# Altium PCB IMX93EVK-SOM_Only-BGA-Fanouts_PrePlaced.PcbDoc (part 4 of 4)
Units mil, origin at the board's own origin, x right, y up, seen from the top; angles counter-clockwise.
Board outline 2903.05 x 2405.84 mil, 6 copper layers (TOP, L2_GND_1, L3_INT_1, L4_PWR, L5_GND_2, BOTTOM), stack 60.244 mil thick; 554 components, 400 nets, 2129 pads, 160 vias.
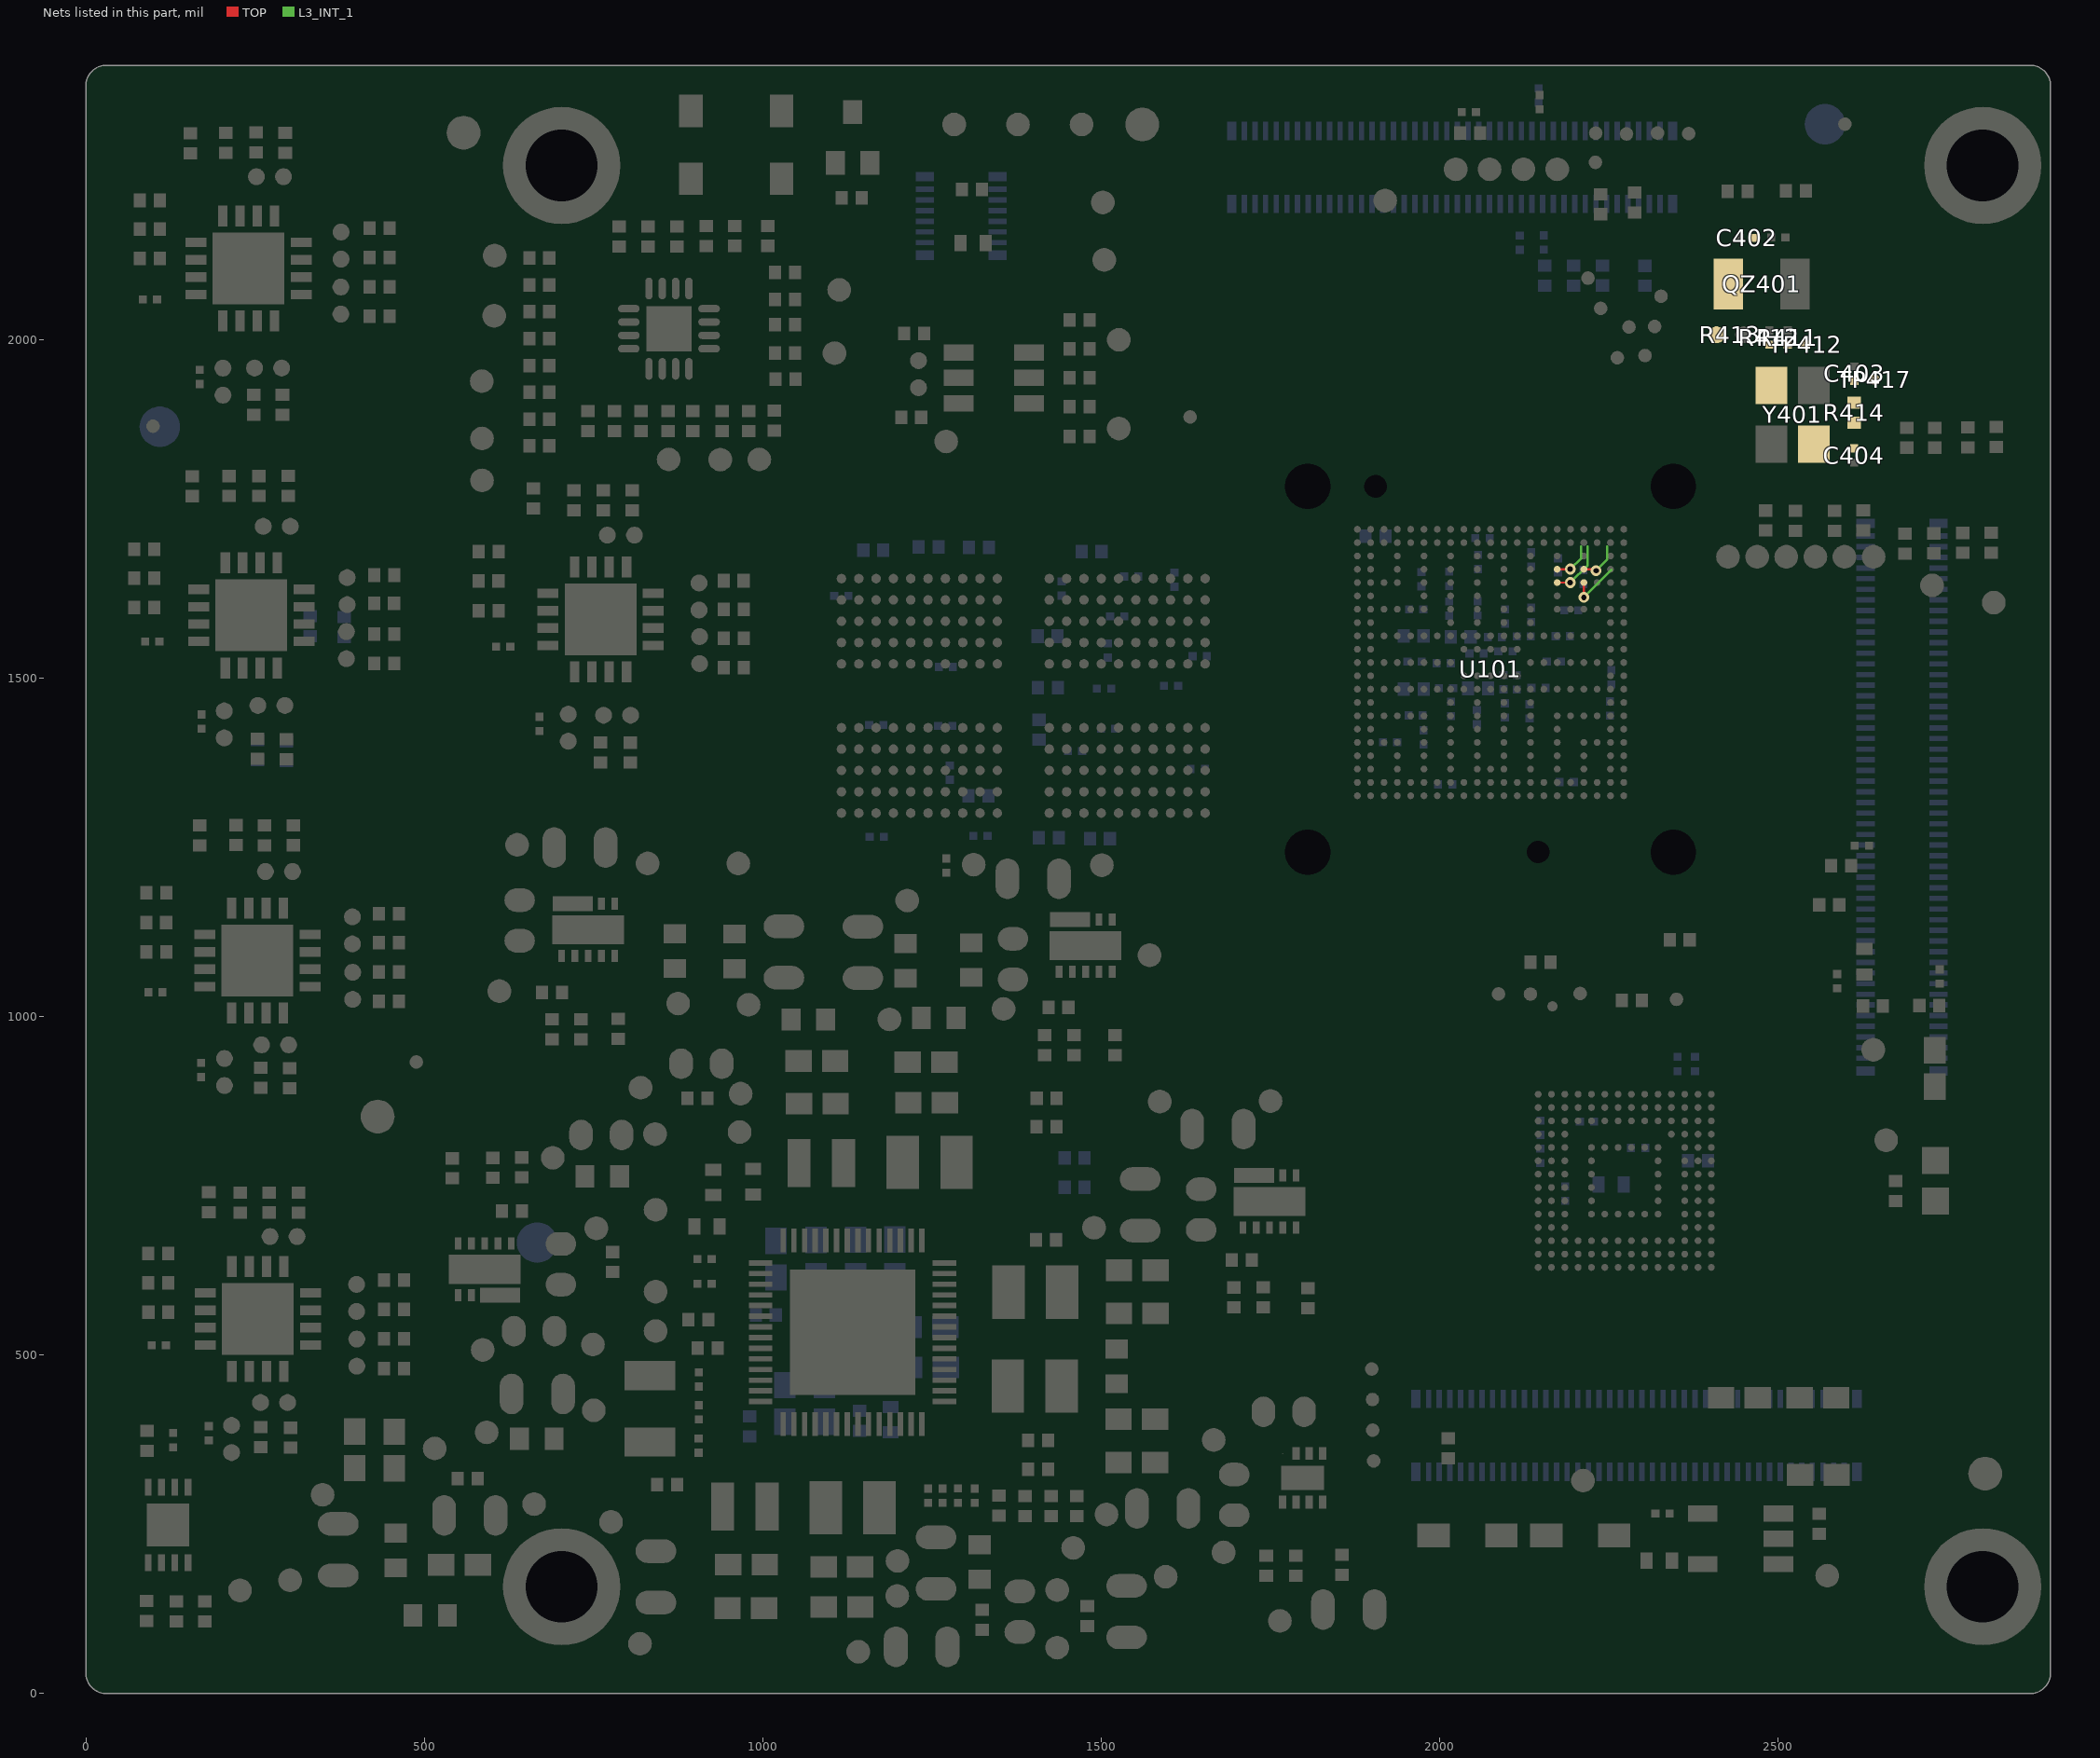
[diagram p7: the nets of this part, all layers, seen from the top]

## Via types
v1: diameter 16, hole 8, TOP to BOTTOM, tented both sides, 160 vias

## Nets (pads, with @x,y where several pads share a name; then routed paths per layer and width w, separated by ;. In a path a pad name is that pad's centre, name@x,y a point inside that pad or via, vN(x,y) a via of type N, cw(c..) or ccw(c..) an arc to the next point about the centre after c; other vN are vias at no path point) (continued)
XTALI_24M: C403.1 R414.1 TP417.1 U101.D18 Y401.1 | length 61.6
  TOP w3.2: U101.D18@2213.52,1661.28 2229.58,1661.28 v1(2231.64,1659.22)
  L3_INT_1 w3.6: v1(2231.64,1659.22) 2248.23,1675.81 2248.23,1695
XTALI_32K: R411.2 R412.1 TP412.1 U101.E16 | length 83.3
  TOP w3.2: U101.E16@2174.15,1641.59 v1(2193.39,1641.59)
  L3_INT_1 w3.6: v1(2193.39,1641.59) 2219.21,1667.41 2219.21,1695
XTALO_24M: C404.1 R414.2 U101.E18 Y401.3 | length 79.1
  TOP w3.2: v1(2213.52,1619.77) U101.E18@2213.52,1641.59
  L3_INT_1 w3.6: v1(2213.52,1619.77) 2254,1660.25
XTALO_32K: C402.1 QZ401.1 R413.2 U101.D16 | length 59.5
  TOP w3.2: U101.D16@2174.15,1661.28 2193.08,1661.28 v1(2193.39,1661.59)
  L3_INT_1 w3.6: v1(2193.39,1661.59) 2209.53,1677.73 2209.53,1695
pads on no net: J801. J802. J803. J901. J901.8 U101. U201.A1 U201.A2 U201.A8 U201.A11 U201.A12 U201.AA1 U201.AA2 U201.AA4 U201.AA9 U201.AA11 U201.AA12 U201.AB1 U201.AB2 U201.AB11 U201.AB12 U201.B1 U201.B12 U201.G11 U201.K5 U201.K8 U201.N5 U201.N8 U201.P2 U201.P4 U201.P5 U201.P8 U201.P9 U201.P11 U201.R2 U201.R3 U201.R4 U201.R9 U201.R10 U201.R11 U201.T2 U201.U2 U201.U4 U201.U9 U201.U11 U201.V2 U201.V3 U201.V4 U201.V9 U201.V10 U201.V11 U201.W3 U201.W10 U201.Y2 U201.Y3 U201.Y4 U201.Y9 U201.Y10 U201.Y11 U501.A1 U501.A2 U501.A7 U501.A8 U501.A9 U501.A10 U501.A11 U501.A12 U501.A13 U501.A14 U501.B1 U501.B7 U501.B8 U501.B9 U501.B10 U501.B11 U501.B12 U501.B13 U501.B14 U501.C1 U501.C3 U501.C5 U501.C7 U501.C8 U501.C9 U501.C10 U501.C11 U501.C12 U501.C13 U501.C14 U501.D1 U501.D2 U501.D3 U501.D4 U501.D12 U501.D13 U501.D14 U501.E1 U501.E2 U501.E3 U501.E5 U501.E8 U501.E9 U501.E10 U501.E12 U501.E13 U501.E14 U501.F1 U501.F2 U501.F3 U501.F10 U501.F12 U501.F13 U501.F14 U501.G1 U501.G2 U501.G3 U501.G10 U501.G12 U501.G13 U501.G14 U501.H1 U501.H2 U501.H3 U501.H12 U501.H13 U501.H14 U501.J1 U501.J2 U501.J3 U501.J12 U501.J13 U501.J14 U501.K1 U501.K2 U501.K3 U501.K6 U501.K7 U501.K10 U501.K12 U501.K13 U501.K14 U501.L1 U501.L2 U501.L3 U501.L12 U501.L13 U501.L14 U501.M1 U501.M2 U501.M3 U501.M7 U501.M8 U501.M9 U501.M10 U501.M11 U501.M12 U501.M13 U501.M14 U501.N1 U501.N3 U501.N6 U501.N7 U501.N8 U501.N9 U501.N10 U501.N11 U501.N12 U501.N13 U501.N14 U501.P1 U501.P2 U501.P7 U501.P8 U501.P9 U501.P10 U501.P11 U501.P12 U501.P13 U501.P14 U903.2 U906.2 U908.2 U910.2

## Keep-outs
TOP:
  region: 69.1,1872.72 ccw(c99.1,1872.72) 99.1,1842.72 ccw(c99.1,1872.72) 129.1,1872.72 ccw(c99.6,1873.22) 99.6,1902.72 99.1,1902.72 99.1,1900.72 100.1,1900.72 100.1,1893.72 100.1,1883.72 cw(c99.05,1872.72) 110.1,1872.72 cw(c99.1,1872.72) 99.1,1883.72 99.1,1889.72 99.1,1893.72 99.1,1899.72 98.1,1899.72 98.1,1902.72 ccw(c99.12,1872.72)
  region: 458.31,933.08 ccw(c488.31,933.08) 488.31,903.08 ccw(c488.31,933.08) 518.31,933.08 ccw(c488.81,933.58) 488.81,963.08 488.31,963.08 488.31,961.08 489.31,961.08 489.31,954.08 489.31,944.08 cw(c488.26,933.08) 499.31,933.08 cw(c488.31,933.08) 488.31,944.08 488.31,950.08 488.31,954.08 488.31,960.08 487.31,960.08 487.31,963.08 ccw(c488.33,933.08)
  region: 2569.36,2319.04 ccw(c2599.36,2319.04) 2599.36,2289.04 ccw(c2599.36,2319.04) 2629.36,2319.04 ccw(c2599.86,2319.54) 2599.86,2349.04 2599.36,2349.04 2599.36,2347.04 2600.36,2347.04 2600.36,2340.04 2600.36,2330.04 cw(c2599.31,2319.04) 2610.36,2319.04 cw(c2599.36,2319.04) 2599.36,2330.04 2599.36,2336.04 2599.36,2340.04 2599.36,2346.04 2598.36,2346.04 2598.36,2349.04 ccw(c2599.38,2319.04)
L2_GND_1:
  region: 2041.85,1700.85 2040.26,1704.69 2036.42,1706.28 2033.89,1705.23 2032.58,1704.69 2030.99,1700.85 2032.58,1697.01 2033.89,1696.47 2036.42,1695.42 2040.26,1697.01 2041.85,1700.85
  region: 2002.54,1720.42 2000.95,1724.26 1997.11,1725.85 1994.58,1724.8 1993.27,1724.26 1991.68,1720.42 1993.27,1716.58 1994.58,1716.04 1997.11,1714.99 2000.95,1716.58 2002.54,1720.42
  region: 2061.32,1720.47 2059.73,1724.31 2055.89,1725.9 2053.36,1724.85 2052.05,1724.31 2050.46,1720.47 2052.05,1716.63 2053.36,1716.09 2055.89,1715.04 2059.73,1716.63 2061.32,1720.47
  region: 2041.79,1720.45 2040.2,1724.29 2036.36,1725.88 2033.83,1724.83 2032.52,1724.29 2030.93,1720.45 2032.52,1716.61 2033.83,1716.07 2036.36,1715.02 2040.2,1716.61 2041.79,1720.45
  region: 1982.69,1720.3 1981.1,1724.14 1977.26,1725.73 1974.73,1724.68 1973.42,1724.14 1971.83,1720.3 1973.42,1716.46 1974.73,1715.92 1977.26,1714.87 1981.1,1716.46 1982.69,1720.3
  region: 2022.08,1720.42 2020.49,1724.26 2016.65,1725.85 2014.12,1724.8 2012.81,1724.26 2011.22,1720.42 2012.81,1716.58 2014.12,1716.04 2016.65,1714.99 2020.49,1716.58 2022.08,1720.42
  region: 2061.5,1641.7 2059.91,1645.54 2056.07,1647.13 2053.54,1646.08 2052.23,1645.54 2050.64,1641.7 2052.23,1637.86 2053.54,1637.32 2056.07,1636.27 2059.91,1637.86 2061.5,1641.7
  region: 2061.44,1700.63 2059.85,1704.47 2056.01,1706.06 2053.48,1705.01 2052.17,1704.47 2050.58,1700.63 2052.17,1696.79 2053.48,1696.25 2056.01,1695.2 2059.85,1696.79 2061.44,1700.63
  region: 1982.62,1661.48 1981.03,1665.32 1977.19,1666.91 1974.66,1665.86 1973.35,1665.32 1971.76,1661.48 1973.35,1657.64 1974.66,1657.1 1977.19,1656.05 1981.03,1657.64 1982.62,1661.48
  region: 2002.36,1700.7 2000.77,1704.54 1996.93,1706.13 1994.4,1705.08 1993.09,1704.54 1991.5,1700.7 1993.09,1696.86 1994.4,1696.32 1996.93,1695.27 2000.77,1696.86 2002.36,1700.7
  region: 2081.16,1720.41 2079.57,1724.25 2075.73,1725.84 2073.2,1724.79 2071.89,1724.25 2070.3,1720.41 2071.89,1716.57 2073.2,1716.03 2075.73,1714.98 2079.57,1716.57 2081.16,1720.41
  region: 2061.39,1661.3 2059.8,1665.14 2055.96,1666.73 2053.43,1665.68 2052.12,1665.14 2050.53,1661.3 2052.12,1657.46 2053.43,1656.92 2055.96,1655.87 2059.8,1657.46 2061.39,1661.3
  region: 1982.8,1641.88 1981.21,1645.72 1977.37,1647.31 1974.84,1646.26 1973.53,1645.72 1971.94,1641.88 1973.53,1638.04 1974.84,1637.5 1977.37,1636.45 1981.21,1638.04 1982.8,1641.88
  region: 1982.66,1700.67 1981.07,1704.51 1977.23,1706.1 1974.7,1705.05 1973.39,1704.51 1971.8,1700.67 1973.39,1696.83 1974.7,1696.29 1977.23,1695.24 1981.07,1696.83 1982.66,1700.67
  region: 2022.07,1700.73 2020.48,1704.57 2016.64,1706.16 2014.11,1705.11 2012.8,1704.57 2011.21,1700.73 2012.8,1696.89 2014.11,1696.35 2016.64,1695.3 2020.48,1696.89 2022.07,1700.73
  region: 2081.1,1700.87 2079.51,1704.71 2075.67,1706.3 2073.14,1705.25 2071.83,1704.71 2070.24,1700.87 2071.83,1697.03 2073.14,1696.49 2075.67,1695.44 2079.51,1697.03 2081.1,1700.87
L5_GND_2:
  region: 2054.27,2214.93 2054.27,2187.89 2078.01,2187.89 2078.01,2214.93
  region: 1723.58,2322.53 1723.58,2295.49 1747.32,2295.49 1747.32,2322.53
  region: 1912.44,2322.3 1912.44,2295.26 1936.18,2295.26 1936.18,2322.3
  region: 1817.96,2214.77 1817.96,2187.73 1841.7,2187.73 1841.7,2214.77
  region: 1911.8,2215.25 1911.8,2188.21 1935.54,2188.21 1935.54,2215.25
  region: 1959.62,2214.77 1959.62,2187.73 1983.36,2187.73 1983.36,2214.77
  region: 1817.96,2322.46 1817.96,2295.42 1841.7,2295.42 1841.7,2322.46
  region: 2006.79,2214.93 2006.79,2187.89 2030.53,2187.89 2030.53,2214.93
  region: 1864.96,2215.09 1864.96,2188.05 1888.7,2188.05 1888.7,2215.09
  region: 1770.74,2322.37 1770.74,2295.33 1794.48,2295.33 1794.48,2322.37
  region: 1723.3,2214.77 1723.3,2187.73 1747.04,2187.73 1747.04,2214.77
  region: 1770.47,2214.77 1770.47,2187.73 1794.21,2187.73 1794.21,2214.77
  region: 1865.44,2322.46 1865.44,2295.42 1889.18,2295.42 1889.18,2322.46
BOTTOM:
  region: 139.22,1871.88 cw(c109.22,1871.88) 109.22,1841.88 cw(c109.22,1871.88) 79.22,1871.88 cw(c108.72,1872.38) 108.72,1901.88 109.22,1901.88 109.22,1899.88 108.22,1899.88 108.22,1892.88 108.22,1882.88 ccw(c109.27,1871.88) 98.22,1871.88 ccw(c109.22,1871.88) 109.22,1882.88 109.22,1888.88 109.22,1892.88 109.22,1898.88 110.22,1898.88 110.22,1901.88 cw(c109.2,1871.88)
  region: 696.82,666.4 cw(c666.82,666.4) 666.82,636.4 cw(c666.82,666.4) 636.82,666.4 cw(c666.32,666.9) 666.32,696.4 666.82,696.4 666.82,694.4 665.82,694.4 665.82,687.4 665.82,677.4 ccw(c666.87,666.4) 655.82,666.4 ccw(c666.82,666.4) 666.82,677.4 666.82,683.4 666.82,687.4 666.82,693.4 667.82,693.4 667.82,696.4 cw(c666.8,666.4)
  region: 2599.8,2318.92 cw(c2569.8,2318.92) 2569.8,2288.92 cw(c2569.8,2318.92) 2539.8,2318.92 cw(c2569.3,2319.42) 2569.3,2348.92 2569.8,2348.92 2569.8,2346.92 2568.8,2346.92 2568.8,2339.92 2568.8,2329.92 ccw(c2569.85,2318.92) 2558.8,2318.92 ccw(c2569.8,2318.92) 2569.8,2329.92 2569.8,2335.92 2569.8,2339.92 2569.8,2345.92 2570.8,2345.92 2570.8,2348.92 cw(c2569.78,2318.92)

## Other copper
BOTTOM:
  region net VSYS_5V: 1048.83,422.29 1075.49,422.29 1075.49,421.7 1107.09,421.7 1110.79,418 1110.79,397.61 1110.08,396.9 1110.08,384.03 1115.95,378.16 1114.83,376.76 ccw(c1124.98,368.62) 1111.97,368.62 ccw(c1124.99,368.61) 1114.97,360.3 1114.97,298.94 1000.31,298.94 972.61,326.64 972.61,343.1 ccw(c962.59,343.1) 969.68,350.18 963.13,356.73 963.13,383.32 968.76,388.94 990.69,388.94 990.69,390.47 1005.67,390.47 1014.61,399.41 1014.61,421.7 1048.83,421.7
  text "170-51943 REV B" at 488.78,1660.55 h30

## Silkscreen, mask and mechanical layers (free items; w line width, h text height)
Top Overlay:
  region: 1747,1842.5 1704,1888 1784,1888
  lines w5: 872.27,739.32 824.17,739.32 824.17,794.8 872.27,794.8 ; 1217.48,317.83 1217.48,361.22 1268,361.22 1268,320.3 ; 1846.86,1088.12 1802.71,1088.12 1802.71,1152.77 1848.96,1152.77 ; 1994.54,58.44 1951.14,58.44 1951.14,117.14 1995.25,117.14 1995.25,9.33 2293.41,9.33 2293.41,116.78 1998.81,116.78 ; 872.27,794.8 898.22,794.8 1019.13,794.8 1019.13,717 954.99,717 954.99,492.77 888.04,492.77 888.04,520.1 872.27,520.1 872.27,794.8 ; 1848.96,1152.77 1971.97,1152.77 1971.97,863.65 1848.96,863.65 1848.96,1152.77 ; 1217.11,264.09 1310.69,264.09 1310.69,247.36 1486.09,247.36 1486.09,306.43 1331.68,306.43 1331.68,317.46 1234.19,317.46 1217.11,317.46 1217.11,264.09
  text "DP" at 2136,2187 h22 r90
  text "DN" at 2086,2184 h22 r90
  text "GND" at 2188,2164 h22 r90
  text "VBUS" at 2029,2146 h22 r90
  text "ON" at 2269,2092 h25
  text "POR" at 2127,2080 h25
  text "STBY" at 2380,2016 h25 r90
  text "MCIMX93-SOMB3" at 1612,1958 h50
  text "REQ" at 2208,1913.38 h25
  text "3V3" at 2442,1547.26 h25 r90
  text "BM2" at 2739,1546 h25 r90
  text "GND" at 2655,1544.64 h25 r90
  text "RXD1" at 2527.91,1535.71 h25 r90
  text "RXD2" at 2613.83,1525 h25 r90
  text "BM3" at 2831,1523 h25 r90
  text "BM0/TXD1" at 2486.74,1449.3 h25 r90
  text "BM1/TXD2" at 2572.66,1442.52 h25 r90
  text "B" at 1815.35,1104.57 h30
  text "1V1" at 896,1008 h30
  text "0V6" at 1164,965 h25 r90
  text "VSD" at 1018.91,855.49 h30 r90
  text "B" at 837,752 h30
  text "0V8" at 1455.91,716.22 h25
  text "1V8" at 815,669 h25 r90
  text "RST" at 821,550 h25 r90
  text "A" at 1230.57,325 h30
  text "WDOG" at 1416.75,173.55 h22
  text "A" at 1962.57,73 h30
  text "3V3" at 1056,49 h25
  text "1V8" at 737,44 h25
Bottom Overlay:
  circle w8: c2602.58,1948.73 r39
  circle w8: c2602.58,1948.73 r39
  lines w4: 1985.99,1027.62 1985.99,715.94 1544.09,715.94 1544.09,1029.05 1987.42,1029.05 1987.42,1471.06 ; 1985.99,1505.47 1985.99,1538.91 2000.22,1538.91 2000.22,1626.08 2146.81,1626.08 2146.81,1532.86 2124.4,1532.86 2124.4,1470.98 ; 1989.55,1505.47 1989.55,1475.58 2027.26,1475.58 2027.26,1469.89 2087.88,1469.89 ; 2105.88,1469.89 2124.27,1469.89
  lines w8: 891.78,1527.1 ccw(c898.98,1551.79) 897.78,1526.1 ; 891.78,1527.1 ccw(c884.78,1503.1) 884.78,1528.1 cw(c884.78,1503.1) 891.78,1527.1 ; 891.78,1527.1 ccw(c898.98,1551.79) 897.78,1526.1 ; 895.78,1485.1 ccw(c871.78,1464.42) 871.78,1496.1 cw(c871.78,1464.42) 895.78,1485.1 ; 895.78,1485.1 ccw(c919.09,1505.21) 902.78,1479.1 ; 895.78,1485.1 ccw(c919.09,1505.21) 902.78,1479.1 ; 897.78,1526.1 ccw(c905.28,1686.71) 912.78,1526.1 ; 897.78,1526.1 ccw(c905.28,1686.71) 912.78,1526.1 ; 902.78,1479.1 938.78,1467.1 ; 902.78,1479.1 938.78,1467.1 ; 912.78,1526.1 ccw(c907.49,1639.29) 937.78,1530.1 ; 912.78,1526.1 ccw(c907.49,1639.29) 937.78,1530.1 ; 937.78,1530.1 cw(c949.46,1488) 976.78,1522.1 ; 937.78,1530.1 cw(c949.46,1488) 976.78,1522.1 ; 938.78,1467.1 cw(c938.78,1442.08) 963.78,1443.1 ; 938.78,1467.1 cw(c938.78,1442.08) 963.78,1443.1 ; 963.78,1443.1 ccw(c969.5,1445.27) 972.78,1440.1 cw(c969.5,1445.27) 963.78,1443.1 ; 965.78,1469.1 ccw(c941.19,1450.78) 945.78,1481.1 cw(c941.19,1450.78) 965.78,1469.1 ; 965.78,1469.1 cw(c798.16,1344.31) 972.78,1459.1 ; 965.78,1469.1 cw(c798.16,1344.31) 972.78,1459.1 ; 972.78,1459.1 cw(c958.48,1449.73) 973.78,1442.1 ccw(c958.48,1449.73) 972.78,1459.1 ; 976.78,1522.1 cw(c966.91,1509.76) 981.78,1515.1 ; 976.78,1522.1 cw(c966.91,1509.76) 981.78,1515.1 ; 981.78,1483.1 ccw(c988.85,1493.52) 986.78,1481.1 ; 981.78,1483.1 cw(c1137.24,1710.82) 966.78,1494.1 ccw(c1137.24,1710.82) 981.78,1483.1 ; 981.78,1483.1 ccw(c988.85,1493.52) 986.78,1481.1 ; 981.78,1515.1 ccw(c995.36,1519.92) 988.78,1507.1 ; 981.78,1515.1 ccw(c995.36,1519.92) 988.78,1507.1 ; 986.78,1481.1 992.78,1480.1 ; 986.78,1481.1 992.78,1480.1 ; 987.78,1444.1 ccw(c992.28,1441.77) 995.78,1438.1 ; 987.78,1444.1 ccw(c992.28,1441.77) 995.78,1438.1 ; 987.78,1444.1 990.78,1450.1 ; 987.78,1444.1 990.78,1450.1 ; 988.78,1464.1 cw(c1003.89,1466.27) 989.78,1472.1 ; 988.78,1464.1 cw(c1003.89,1466.27) 989.78,1472.1 ; 988.78,1464.1 990.78,1450.1 ; 988.78,1464.1 990.78,1450.1 ; 988.78,1507.1 993.78,1503.1 ; 988.78,1507.1 993.78,1503.1 ; 989.78,1472.1 ccw(c853.78,1527.66) 992.78,1480.1 ; 989.78,1472.1 ccw(c853.78,1527.66) 992.78,1480.1 ; 993.78,1503.1 999.78,1498.1 ; 993.78,1503.1 999.78,1498.1 ; 995.78,1438.1 ccw(c978.64,1455.1) 1002.78,1455.1 ; 995.78,1438.1 ccw(c978.64,1455.1) 1002.78,1455.1 ; 999.78,1498.1 cw(c988.88,1485.02) 1005.78,1487.1 ccw(c988.88,1485.02) 999.78,1498.1 ; 1002.78,1455.1 1002.78,1468.1 ; 1002.78,1455.1 1002.78,1468.1 ; 1002.78,1468.1 1003.78,1476.1 ; 1002.78,1468.1 1003.78,1476.1 ; 1003.78,1476.1 1004.78,1482.1 ; 1003.78,1476.1 1004.78,1482.1 ; 1004.78,1482.1 1005.78,1486.1 1004.78,1482.1 ; 262.72,1723.71 262.72,1923.71 1062.72,1923.71 1062.72,1723.71 262.72,1723.71 ; 265.94,1961.09 265.94,2161.09 1065.94,2161.09 1065.94,1961.09 265.94,1961.09 ; 979.65,59.9 979.65,259.9 1669.65,259.9 1669.65,59.9 979.65,59.9 ; 2582.58,1938.73 ccw(c2602.58,1947.73) 2587.58,1963.73 cw(c2602.58,1947.73) 2582.58,1938.73
  lines w10: 820.78,1403.1 943.78,1652.1 ; 820.78,1403.1 943.78,1652.1 ; 820.78,1403.1 1068.78,1403.1 820.78,1403.1 ; 943.78,1652.1 1069.78,1403.1 943.78,1652.1 ; 817.78,1403.1 1007.78,1525.1 817.78,1403.1
  text "SCH-51943 REV B.M" at 1041,2088 h40
  text "TRANSLATED TO ALTIUM" at 1044,2002 h40
  text "2024 NXP SEMICONDUCTORS" at 2538,1930 h40
  text "700-51943 REV B.M" at 1035,1845 h40
  text ".ItemAndRevision" at 1036,1762 h40
  text "S/N" at 1807,132.71 h40
Board Outline:
  lines w1: 0,0 2903.05,0 2903.05,2405.84 0,2405.84 0,0
Fab Notes:
  lines w7: -5684.6,-7494.15 4365.4,-7494.15 ; -5684.6,-7294.15 4365.4,-7294.15 ; -5684.6,-7094.15 4365.4,-7094.15 ; -5684.6,-6894.15 4365.4,-6894.15 ; -5684.6,-6694.15 4365.4,-6694.15 ; -5684.6,-6494.15 4365.4,-6494.15 ; -5684.6,-6294.15 4365.4,-6294.15 ; -5684.6,-6094.15 4365.4,-6094.15 ; -5684.6,-5894.15 4365.4,-5894.15 ; -5684.6,-5694.15 4365.4,-5694.15 ; -5684.6,-5538.35 -5684.6,-8138.35 4365.4,-8138.35 4365.4,-5538.35 ; -5684.6,-5316.25 -5684.6,-7916.25 4365.4,-7916.25 4365.4,-5316.25 ; -4884.6,-8138.35 -4884.6,-5538.35 ; -4884.6,-7916.25 -4884.6,-5316.25 ; -4884.6,-7694.15 -4884.6,-5094.15 ; -4884.6,-5294.15 4365.4,-5294.15 ; -4034.6,-8138.35 -4034.6,-5738.35 ; -4034.6,-7916.25 -4034.6,-5516.25 ; -4034.6,-7694.15 -4034.6,-5294.15 ; -3334.6,-8138.35 -3334.6,-5538.35 ; -3334.6,-7916.25 -3334.6,-5316.25 ; -3334.6,-7694.15 -3334.6,-5094.15 ; -2534.6,-8138.35 -2534.6,-5738.35 ; -2534.6,-7916.25 -2534.6,-5516.25 ; -2534.6,-7694.15 -2534.6,-5294.15 ; -1634.6,-8138.35 -1634.6,-5738.35 ; -1634.6,-7916.25 -1634.6,-5516.25 ; -1634.6,-7694.15 -1634.6,-5294.15 ; -846.6,-5738.35 -834.6,-8138.35 ; -846.6,-5516.25 -834.6,-7916.25 ; -846.6,-5294.15 -834.6,-7694.15 ; -34.6,-8138.35 -34.6,-5738.35 ; -34.6,-7916.25 -34.6,-5516.25 ; -34.6,-7694.15 -34.6,-5294.15 ; 865.4,-8138.35 865.4,-5738.35 ; 865.4,-7916.25 865.4,-5516.25 ; 865.4,-7694.15 865.4,-5294.15 ; 1765.4,-8138.35 1765.4,-5738.35 ; 1765.4,-7916.25 1765.4,-5516.25 ; 1765.4,-7694.15 1765.4,-5294.15 ; 2665.4,-8138.35 2665.4,-5738.35 ; 2665.4,-7916.25 2665.4,-5516.25 ; 2665.4,-7694.15 2665.4,-5294.15 ; 3565.4,-8138.35 3565.4,-5738.35 ; 3565.4,-7916.25 3565.4,-5516.25 ; 3565.4,-7694.15 3565.4,-5294.15 ; -5684.6,-7694.15 -5684.6,-5094.15 4365.4,-5094.15 4365.4,-7694.15 -5684.6,-7694.15
  text "Single Ended" at -4680.6,-5236.15 h94
  text "Differential" at -134.6,-5244.15 h94
  text "Impedance" at -1565.6,-5437.15 h63
  text "Impedance" at 934.4,-5437.15 h63
  text "Impedance" at 3634.4,-5437.15 h63
  text "Impedance" at -3995.6,-5442.15 h63
  text "Layers" at -5634.6,-5444.15 h94
  text "Trace Spacing" at -2484.6,-5444.15 h63
  text "Trace Spacing" at 15.4,-5444.15 h63
  text "Trace Spacing" at 2715.4,-5444.15 h63
  text "Trace Width" at -4830.6,-5452.15 h63
  text "Trace Width" at -3270.6,-5452.15 h63
  text "Trace Width" at -770.6,-5452.15 h63
  text "Trace Width" at 1929.4,-5452.15 h63
  text "(Mils)" at -4784.6,-5544.15 h80
  text "(Ohms)" at -3984.6,-5544.15 h63
  text "(Mils)" at -3234.6,-5544.15 h63
  text "\"Airgap\"" at -2484.6,-5544.15 h63
  text "(Ohms)" at -1534.6,-5544.15 h63
  text "(Mils)" at -734.6,-5544.15 h63
  text "\"Airgap\"" at 15.4,-5544.15 h63
  text "(Ohms)" at 965.4,-5544.15 h63
  text "(Mils)" at 1965.4,-5544.15 h63
  text "\"Airgap\"" at 2715.4,-5544.15 h63
  text "(Ohms)" at 3665.4,-5544.15 h63
  text "(Mils)" at -2296.6,-5659.15 h63
  text "(Mils)" at 203.4,-5659.15 h63
  text "(Mils)" at 2903.4,-5659.15 h63
  text "4.6" at -3019.94,-5832.21 h80
  text "4" at -404.6,-5831.65 h80
  text "L1_TOP" at -5550.1,-5832.75 h80
  text "4.4" at -2167.52,-5836.11 h80
  text "90" at 1125.4,-5839.55 h80
  text "3.4" at 2209.2,-5842.85 h80
  text "4.4" at -4625.1,-5844.05 h80
  text "4.5" at 295.4,-5846.65 h80
  text "50" at -3665.8,-5851.65 h80
  text "85" at -1354.79,-5852.02 h80
  text "5.6" at 3002.7,-5868.85 h80
  text "100" at 3803.1,-5869.15 h80
  text "3.6" at -4633.09,-6422.68 h80
  text "L3_IN1" at -5587,-6424.25 h80
  text "85" at -1434.19,-6425.95 h80
  text "2.9" at 2194.5,-6426.95 h80
  text "50" at -3682.4,-6427.55 h80
  text "3.4" at -3033.29,-6427.95 h80
  text "4.5" at -2177.79,-6428.95 h80
  text "3.2" at -424.2,-6435.35 h80
  text "90" at 1105.8,-6443.25 h80
  text "5.3" at 275.8,-6450.35 h80
  text "8.1" at 2988,-6452.95 h80
  text "100" at 3788.4,-6453.25 h80
  text "90" at 1103.8,-7033.75 h80
  text "50" at -3681.8,-7038.15 h80
  text "85" at -1439.57,-7038.27 h80
  text "4.5" at 266.4,-7040.85 h80
  text "4.4" at -4615.2,-7045.35 h80
  text "4.6" at -3043.73,-7045.34 h80
  text "3.4" at 2096.5,-7047.45 h80
  text "L6_BOTTOM" at -5684.7,-7049.85 h80
  text "4" at -423.46,-7051.2 h80
  text "5.6" at 2976.18,-7050.58 h80
  text "4.4" at -2183.17,-7051.41 h80
  text "100" at 3809.69,-7055.98 h80
Drill Drawing:
  circle w1: c8087.27,5323.76 r60
  circle w1: c8087.27,6073.76 r60
  circle w1: c8087.27,5073.76 r60
  circle w1: c8087.27,5573.76 r60
  lines w1: 7637.77,4448.76 14612.77,4448.76 ; 7637.77,4698.76 14612.77,4698.76 ; 7637.77,4948.76 14612.77,4948.76 ; 7637.77,5198.76 14612.77,5198.76 ; 7637.77,5448.76 14612.77,5448.76 ; 7637.77,5698.76 14612.77,5698.76 ; 7637.77,5948.76 14612.77,5948.76 ; 7637.77,6198.76 14612.77,6198.76 ; 7637.77,6448.76 14612.77,6448.76 ; 7637.77,6698.76 14612.77,6698.76 ; 8027.27,5823.76 8147.27,5823.76 ; 8087.27,5763.76 8087.27,5883.76 ; 8536.77,4198.76 8536.77,6448.76 ; 10551.77,4198.76 10551.77,6448.76 ; 12566.77,4198.76 12566.77,6448.76 ; 13837.77,4198.76 13837.77,6448.76 ; 7637.77,4198.76 14612.77,4198.76 14612.77,6948.76 7637.77,6948.76 7637.77,4198.76 ; 8027.27,4513.76 8147.27,4513.76 8147.27,4633.76 8027.27,4633.76 8027.27,4513.76 ; 8027.27,4823.76 8057.27,4883.76 8117.27,4883.76 8147.27,4823.76 8117.27,4763.76 8057.27,4763.76 8027.27,4823.76 ; 8057.27,4203.76 ccw(c8057.27,4323.76) 8057.27,4443.76 8117.27,4443.76 ccw(c8117.27,4323.76) 8117.27,4203.76 8057.27,4203.76
  text "DRILL CHART: TOP to BOTTOM" at 9825.27,6761.26 h125
  text "ALL UNITS ARE IN MILS" at 10075.27,6511.26 h125
  text "FIGURE" at 7787.27,6261.26 h125
  text "FINISHED_SIZE" at 8894.27,6261.26 h125
  text "TOLERANCE_DRILL" at 10809.27,6261.26 h125
  text "PLATED" at 12902.27,6261.26 h125
  text "QTY" at 14075.27,6261.26 h125
  text "8.0" at 9394.27,6011.26 h125
  text "+0.0/-0.0" at 11109.27,6011.26 h125
  text "PLATED" at 12902.27,6011.26 h125
  text "28" at 14125.27,6011.26 h125
  text "8.0" at 9394.27,5761.26 h125
  text "+0.0/-8.0" at 11109.27,5761.26 h125
  text "PLATED" at 12902.27,5761.26 h125
  text "1038" at 14025.27,5761.26 h125
  text "10.0" at 9344.27,5511.26 h125
  text "+0.0/-10.0" at 11059.27,5511.26 h125
  text "PLATED" at 12902.27,5511.26 h125
  text "64" at 14125.27,5511.26 h125
  text "10.0" at 9344.27,5261.26 h125
  text "+0.0/-10.0" at 11059.27,5261.26 h125
  text "PLATED" at 12902.27,5261.26 h125
  text "2" at 14175.27,5261.26 h125
  text "40.0" at 9344.27,5011.26 h125
  text "+0.0/-0.0" at 11109.27,5011.26 h125
  text "PLATED" at 12902.27,5011.26 h125
  text "6" at 14175.27,5011.26 h125
  text "106.0" at 9294.27,4761.26 h125
  text "+3.0/-3.0" at 11109.27,4761.26 h125
  text "PLATED" at 12902.27,4761.26 h125
  text "4" at 14175.27,4761.26 h125
  text "33.4" at 9344.27,4511.26 h125
  text "+1.0/-1.0" at 11109.27,4511.26 h125
  text "NON-PLATED" at 12702.27,4511.26 h125
  text "2" at 14175.27,4511.26 h125
  text "66.9" at 9344.27,4261.26 h125
  text "+4.0/-4.0" at 11109.27,4261.26 h125
  text "NON-PLATED" at 12702.27,4261.26 h125
  text "4" at 14175.27,4261.26 h125
  text "TOTAL HOLES:" at 12512.77,4011.26 h125
  text "1148" at 14025.27,4011.26 h125
Document:
  drawing of 2535 lines, arcs and shapes, not listed
  text "FX.X" at 16861.1,10640.25 h100
  text "A" at 11026.1,10635.25 h125
  text "01-21-22" at 15581.1,10635.25 h100
  text "CHANGED U901,U903,U906,U908,U910" at 11378.87,10392.81 h100
  text "B" at 11036.66,10391.83 h100
  text "FX.X" at 16861.1,10382.85 h100
  text "19-08-22" at 15581.1,10377.85 h100
  text "170-51943" at 10331.1,-6889.75 h175
  text "THIS DOCUMENT CONTAINS INFORMATION" at 9741.1,-7129.75 h63
  text "___ PUBI (PUBLIC INFORMATION)" at 6896.1,-7164.75 h63
  text "NXP SEMICONDUCTOR" at 12301.1,-7239.75 h225
  text "PROPRIETARY TO NXP AND SHALL" at 9741.1,-7254.75 h63
  text "NOT BE USED FOR ENGINEERING DESIGN" at 9741.1,-7379.75 h63
  text "___ FIUO (NXP INTERNAL USE ONLY)" at 6896.1,-7464.75 h63
  text "X" at 6936.1,-7464.75 h100
  text "PROCUREMENT OR MANUFACTURE IN WHOLE" at 9741.1,-7504.75 h63
  text "OR IN PART WITHOUT THE CONSENT OF" at 9741.1,-7629.75 h63
  text "NXP." at 9741.1,-7754.75 h63
  text "___ FCP (NXP CONFIDENTIAL PROPRIETARY)" at 6896.1,-7764.75 h63
  text "6501 WILLIAM CANNON DRIVE WEST  AUSTIN, TEXAS 78735 USA" at 12331.1,-7809.75 h94
  text "ALL PARTS, MATERIALS AND FINISHED" at 4449.95,-8080.39 h63
  text "ASSEMBLY SHALL MEET THE RoHS" at 4449.95,-8164.39 h63
  text "PRINTED WIRING BOARD" at 13261.1,-8219.75 h175
  text "COMMISSION DELEGATED DIRECTIVE (EU)" at 4449.95,-8248.39 h63
  text "2015/863 OF 31 MARCH  2015 AMENDING" at 4449.95,-8332.39 h63
  text "Feixiang" at 10126.1,-8394.75 h100
  text "19-08-22" at 11391.1,-8394.75 h100
  text "ANNEX II TO DIRECTIVE 2011/65/EU. A" at 4449.95,-8416.39 h63
  text "CERTIFICATE OF COMPLIANCE IS" at 4449.95,-8500.39 h63
  text "X-" at 13740.52,-8556.31 h175
  text "MCIMX93-SOM" at 14140.3,-8560.76 h175
  text "REQUIRED UPON REQUEST." at 4449.95,-8584.39 h63
  text "Javen jiang" at 10121.1,-8814.75 h100
  text "19-08-22" at 11386.1,-8814.75 h100
  text "ALL PARTS, MATERIALS AND FINISHED" at 4425.95,-9039.39 h63
  text "ASSEMBLY SHALL NOT CONTAIN ANY OF" at 4425.95,-9123.39 h63
  text "THE SUBSTANCES OF VERY HIGH CONCERN" at 4425.95,-9207.39 h63
  text "Javen jiang" at 10116.1,-9209.75 h100
  text "19-08-22" at 11381.1,-9209.75 h100
  text "LAY-51943" at 12671.1,-9229.75 h125
  text "FAB-51943" at 14776.1,-9229.75 h175
  text "B" at 17156.1,-9229.75 h175
  text "(SVHC) ABOVE THE THRESHOLD VALUE PER" at 4425.95,-9291.39 h63
  text "THE CURRENT ECHA LIST OF SVHC'S AND" at 4425.95,-9375.39 h63
  text "WITH ANNEX XIV AND ANNEX XVII OF REACH" at 4425.95,-9454.39 h63
  text "DIRECTIVE 76/769/EEC. A CERTIFICATE OF" at 4425.95,-9538.39 h63
  text "COMPLIANCE IS REQUIRED UPON REQUEST." at 4425.95,-9622.39 h63
  text "1" at 16996,-9634.85 h125
  text "NONE" at 12708,-9641.85 h125
  text "1" at 16275,-9641.85 h125
Reference:
  lines w1: -15719.9,-10222.75 -15719.9,11779.25 18282.1,11779.25 18282.1,-10222.75 -15719.9,-10222.75
Top Component Outline:
  lines w1: -24.77,0.28 25.23,0.28 ; 0.23,-24.72 0.23,25.28
Bottom Component Outline:
  region: -2.18,950.49 ccw(c105.17,949.78) 102.7,842.46 268.82,842.46 268.82,767.46 432.38,767.46 490.82,861.51 549.26,767.46 695.42,767.46 841.82,938.41 841.82,767.46 985.82,767.46 985.82,1145.46 851.22,1145.46 705.82,975.53 705.82,1145.46 549.26,1145.46 490.82,1051.41 432.38,1145.46 123.31,1145.46 ccw(c112.29,1031.51) -2.18,1032.5
Patch_Top:
  lines w10: -5156.9,-3407.15 -1156.9,-3407.15 ; -5156.9,-3107.15 -5156.9,-2907.15 -1156.9,-2907.15 ; -4656.9,-3607.15 -4656.9,-3407.15 ; -3406.9,-2907.15 -3406.9,-2607.15 ; -3401.9,-3607.15 -3401.9,-3407.15 ; -2906.9,-3607.15 -2906.9,-3407.15
  lines w20: -5156.9,-3607.15 -1156.9,-3607.15 -1156.9,-2607.15 -5156.9,-2607.15 -5156.9,-3607.15
  text "NAME" at -3376.9,-2687.15 h40
  text "NXP SEMICONDUCTORS" at -5101.9,-2717.15 h75
  text "MCIMX93-SOM" at -2660.79,-2802.61 h63
  text "6501 WILLIAM CANNON DRIVE WEST" at -5126.9,-2807.15 h40
  text "AUSTIN. TEXAS 78735 USA" at -5126.9,-2877.15 h40
  text "THIS DOCUMENT CONTAINS INFORMATION" at -5066.9,-2977.15 h40
  text "X" at -3228.9,-3002.15 h63
  text "___ COMPANY PUBLIC" at -3276.9,-3007.15 h40
  text "PROPRIETARY TO NXP AND SHALL NOT" at -5056.9,-3057.15 h40
  text "BE USED FOR ENGINEERING DESIGN" at -5056.9,-3137.15 h40
  text "___ COMPANY INTERNAL" at -3276.9,-3167.15 h40
  text "PROCUREMENT OR MANUFACTURE IN WHOLE" at -5056.9,-3217.15 h40
  text "OR IN PART WITHOUT THE CONSENT OF" at -5056.9,-3297.15 h40
  text "___ COMPANY CONFIDENTIAL" at -3276.9,-3332.15 h40
  text "NXP." at -5046.9,-3377.15 h40
  text "SHEET" at -5126.9,-3487.15 h40
  text "FILM" at -4626.9,-3487.15 h40
  text "DATE" at -3376.9,-3487.15 h40
  text "NUMBER" at -2876.9,-3487.15 h40
  text "170-51943     REV B" at -2546.9,-3557.15 h63
  text "19-08-22" at -3356.9,-3567.15 h40

## Text inside footprints (layer, text, board x,y; h text height)
D601: Top Overlay "A" at 2766.09,691.57 h25; Top Overlay "C" at 2771.58,811.56 h25
J801: Bottom Overlay "1" at 2601.23,461.46 h15; Bottom Overlay "2" at 2601.23,286.46 h15; Bottom Overlay "79" at 1992.26,460.67 h15; Bottom Overlay "80" at 1991.23,276.46 h15
J802: Bottom Overlay "1" at 1708,2163 h15; Bottom Overlay "2" at 1711.75,2334.4 h15; Bottom Overlay "79" at 2353,2162 h15; Bottom Overlay "80" at 2356,2336 h15
J803: Bottom Overlay "1" at 2603.7,1704.58 h15; Bottom Overlay "2" at 2778.7,1704.58 h15; Bottom Overlay "99" at 2597.1,925.26 h15; Bottom Overlay "100" at 2798.7,929.58 h15
J901: Bottom Overlay "12" at 1393.52,2133.37 h15; Bottom Overlay "11" at 1213.52,2133.37 h15; Bottom Overlay "2" at 1383.52,2218.37 h15; Bottom Overlay "1" at 1210,2221 h15
L701: Top Overlay "1" at 1169.8,735.87 h25
L702: Top Overlay "1" at 1326,585 h25
L703: Top Overlay "1" at 1325,446 h25
L704: Top Overlay "1" at 1055,281 h25
L705: Top Overlay "1" at 1029,248 h25
L706: Top Overlay "1" at 1145,737 h25
Q901: Top Overlay "1" at 1076,2242 h25; Top Overlay "2" at 1184,2241 h25; Top Overlay "3" at 1123.25,2368.01 h25
QZ401: Top Overlay "1" at 2373.96,2101.41 h25
QZ701: Top Overlay "1" at 804,302 h25
U101: Top Overlay "A21" at 2443.29,1782.44 h25 r90; Top Overlay "AA1" at 1735.22,1184.88 h25 r90; Top Overlay "A1" at 1690.8,1809.8 h30; Top Overlay "AA21" at 2436,1186 h25 r90
U201: Top Overlay "12" at 1648.87,1224.89 h25; Top Overlay "1" at 1681,1663.79 h25; Top Overlay "A" at 1633.97,1698.6 h25; Top Overlay "AB" at 1092.3,1693.26 h25; Top Assembly "1" at 1692.32,1647.51 h10 r270; Top Assembly "12" at 1692.32,1301.05 h25 r270; Top Assembly "A" at 1645.07,1710.5 h10 r270; Top Assembly "AB" at 1101.77,1734.12 h25 r270
U501: Top Overlay "1" at 2555.26,879.07 h25; Top Overlay "14" at 2548.05,612.06 h25; Top Overlay "P" at 2035.94,1001.88 h25; Top Overlay "A" at 2473.97,1003.1 h25
U701: Top Overlay "1" at 964,627 h25; Top Overlay "29" at 1289.34,392.88 h25; Top Overlay "43" at 1238.82,687.48 h25; Top Overlay "56" at 1023.92,693.88 h25; Top Overlay "15" at 959,360 h25
U902: Top Overlay "1" at 135,1639 h25; Top Overlay "4" at 126,1538 h25; Top Overlay "5" at 131,1475 h25; Top Overlay "8" at 328,1469 h25; Top Overlay "9" at 348.57,1539.35 h25; Top Overlay "12" at 336.44,1668.78 h25; Top Overlay "13" at 335.02,1709.33 h25; Top Overlay "16" at 136,1691 h25; Top Assembly "16" at 198.04,1665.92 h10; Top Assembly "13" at 274.82,1665.92 h10; Top Assembly "12" at 314.19,1626.55 h10; Top Assembly "9" at 318.19,1549.77 h10; Top Assembly "8" at 278.82,1510.4 h10; Top Assembly "5" at 202.04,1510.4 h10; Top Assembly "4" at 162.67,1549.77 h10; Top Assembly "1" at 162.67,1626.55 h10
U903: Top Overlay "6" at 494.37,578.45 h25; Top Overlay "5" at 533.03,682.05 h25; Top Overlay "10" at 649,563 h25; Top Overlay "1" at 660.26,665.79 h25
U904: Top Overlay "1" at 130,2147 h25; Top Overlay "4" at 122,2052 h25; Top Overlay "5" at 165,1980 h25; Top Overlay "8" at 306,1980 h25; Top Overlay "9" at 339,2020 h25; Top Overlay "12" at 332.48,2181.39 h25; Top Overlay "13" at 316,2217 h25; Top Overlay "16" at 129,2205 h25; Top Assembly "16" at 194.08,2178.53 h10; Top Assembly "13" at 270.86,2178.53 h10; Top Assembly "12" at 310.23,2139.16 h10; Top Assembly "9" at 314.23,2062.38 h10; Top Assembly "8" at 274.86,2023.01 h10; Top Assembly "5" at 198.08,2023.01 h10; Top Assembly "4" at 158.71,2062.38 h10; Top Assembly "1" at 158.71,2139.16 h10
U905: Top Overlay "1" at 2533,174 h25
U906: Top Overlay "1" at 1671,654 h25; Top Overlay "10" at 1635,772 h25; Top Overlay "5" at 1826,674 h25; Top Overlay "6" at 1825,766 h25
U907: Top Overlay "1" at 648,1619 h25; Top Overlay "4" at 641,1535 h25; Top Overlay "5" at 682,1461 h25; Top Overlay "8" at 832,1462 h25; Top Overlay "9" at 859,1509 h25; Top Overlay "12" at 856.9,1652.2 h25; Top Overlay "13" at 829,1688 h25; Top Overlay "16" at 642,1683 h25; Top Assembly "16" at 714.18,1659.99 h10; Top Assembly "13" at 790.96,1659.99 h10; Top Assembly "12" at 830.33,1620.62 h10; Top Assembly "9" at 834.33,1543.84 h10; Top Assembly "8" at 794.96,1504.47 h10; Top Assembly "5" at 718.18,1504.47 h10; Top Assembly "4" at 678.81,1543.84 h10; Top Assembly "1" at 678.81,1620.62 h10
U908: Top Overlay "6" at 777,1187 h25; Top Overlay "5" at 814,1047 h25; Top Overlay "10" at 674,1189 h25; Top Overlay "1" at 659,1068 h25
U909: Top Overlay "1" at 771,2040 h25
U910: Top Overlay "1" at 1394,1053 h25; Top Overlay "10" at 1358,1140 h25; Top Overlay "5" at 1559,1037 h25; Top Overlay "6" at 1558,1137 h25
U911: Top Overlay "16" at 135,1176 h25; Top Overlay "13" at 322,1188 h25; Top Overlay "12" at 348.66,1165.84 h25; Top Overlay "9" at 357.69,1029.25 h25; Top Overlay "8" at 324,957 h25; Top Overlay "5" at 146,989 h25; Top Overlay "4" at 136,1024 h25; Top Overlay "1" at 147,1137 h25; Top Assembly "1" at 171.79,1116.45 h10; Top Assembly "4" at 171.79,1039.67 h10; Top Assembly "5" at 211.16,1000.3 h10; Top Assembly "8" at 287.94,1000.3 h10; Top Assembly "9" at 327.31,1039.67 h10; Top Assembly "12" at 323.31,1116.45 h10; Top Assembly "13" at 283.94,1155.82 h10; Top Assembly "16" at 207.16,1155.82 h10
U912: Top Overlay "16" at 182,655 h25; Top Overlay "13" at 330,658 h25; Top Overlay "12" at 353,623 h25; Top Overlay "9" at 353,446 h20; Top Overlay "8" at 322,425 h25; Top Overlay "5" at 145,443 h20; Top Overlay "4" at 139,483 h20; Top Overlay "1" at 146,609 h25; Top Assembly "1" at 172.45,586.93 h10; Top Assembly "4" at 172.45,510.15 h10; Top Assembly "5" at 211.82,470.78 h10; Top Assembly "8" at 288.6,470.78 h10; Top Assembly "9" at 327.97,510.15 h10; Top Assembly "12" at 323.97,586.93 h10; Top Assembly "13" at 284.6,626.3 h10; Top Assembly "16" at 207.82,626.3 h10
U913: Top Overlay "8" at 48,328 h25; Top Overlay "5" at 141.54,335.61 h25; Top Overlay "4" at 184,170 h25; Top Overlay "1" at 54,167 h25
U914: Top Overlay "1" at 1262.08,2010.69 h25
Y401: Top Overlay "1" at 2435.51,1924.13 h25